# Altium PCB STM32F334R8T6Board_PCB.PcbDoc (part 1 of 2)
Units mm, origin at the board's own origin, x right, y up, seen from the top; angles counter-clockwise.
Board outline 150.9 x 140.23 mm, 2 copper layers (Top Layer, Bottom Layer); 191 components, 132 nets, 630 pads, 229 vias.
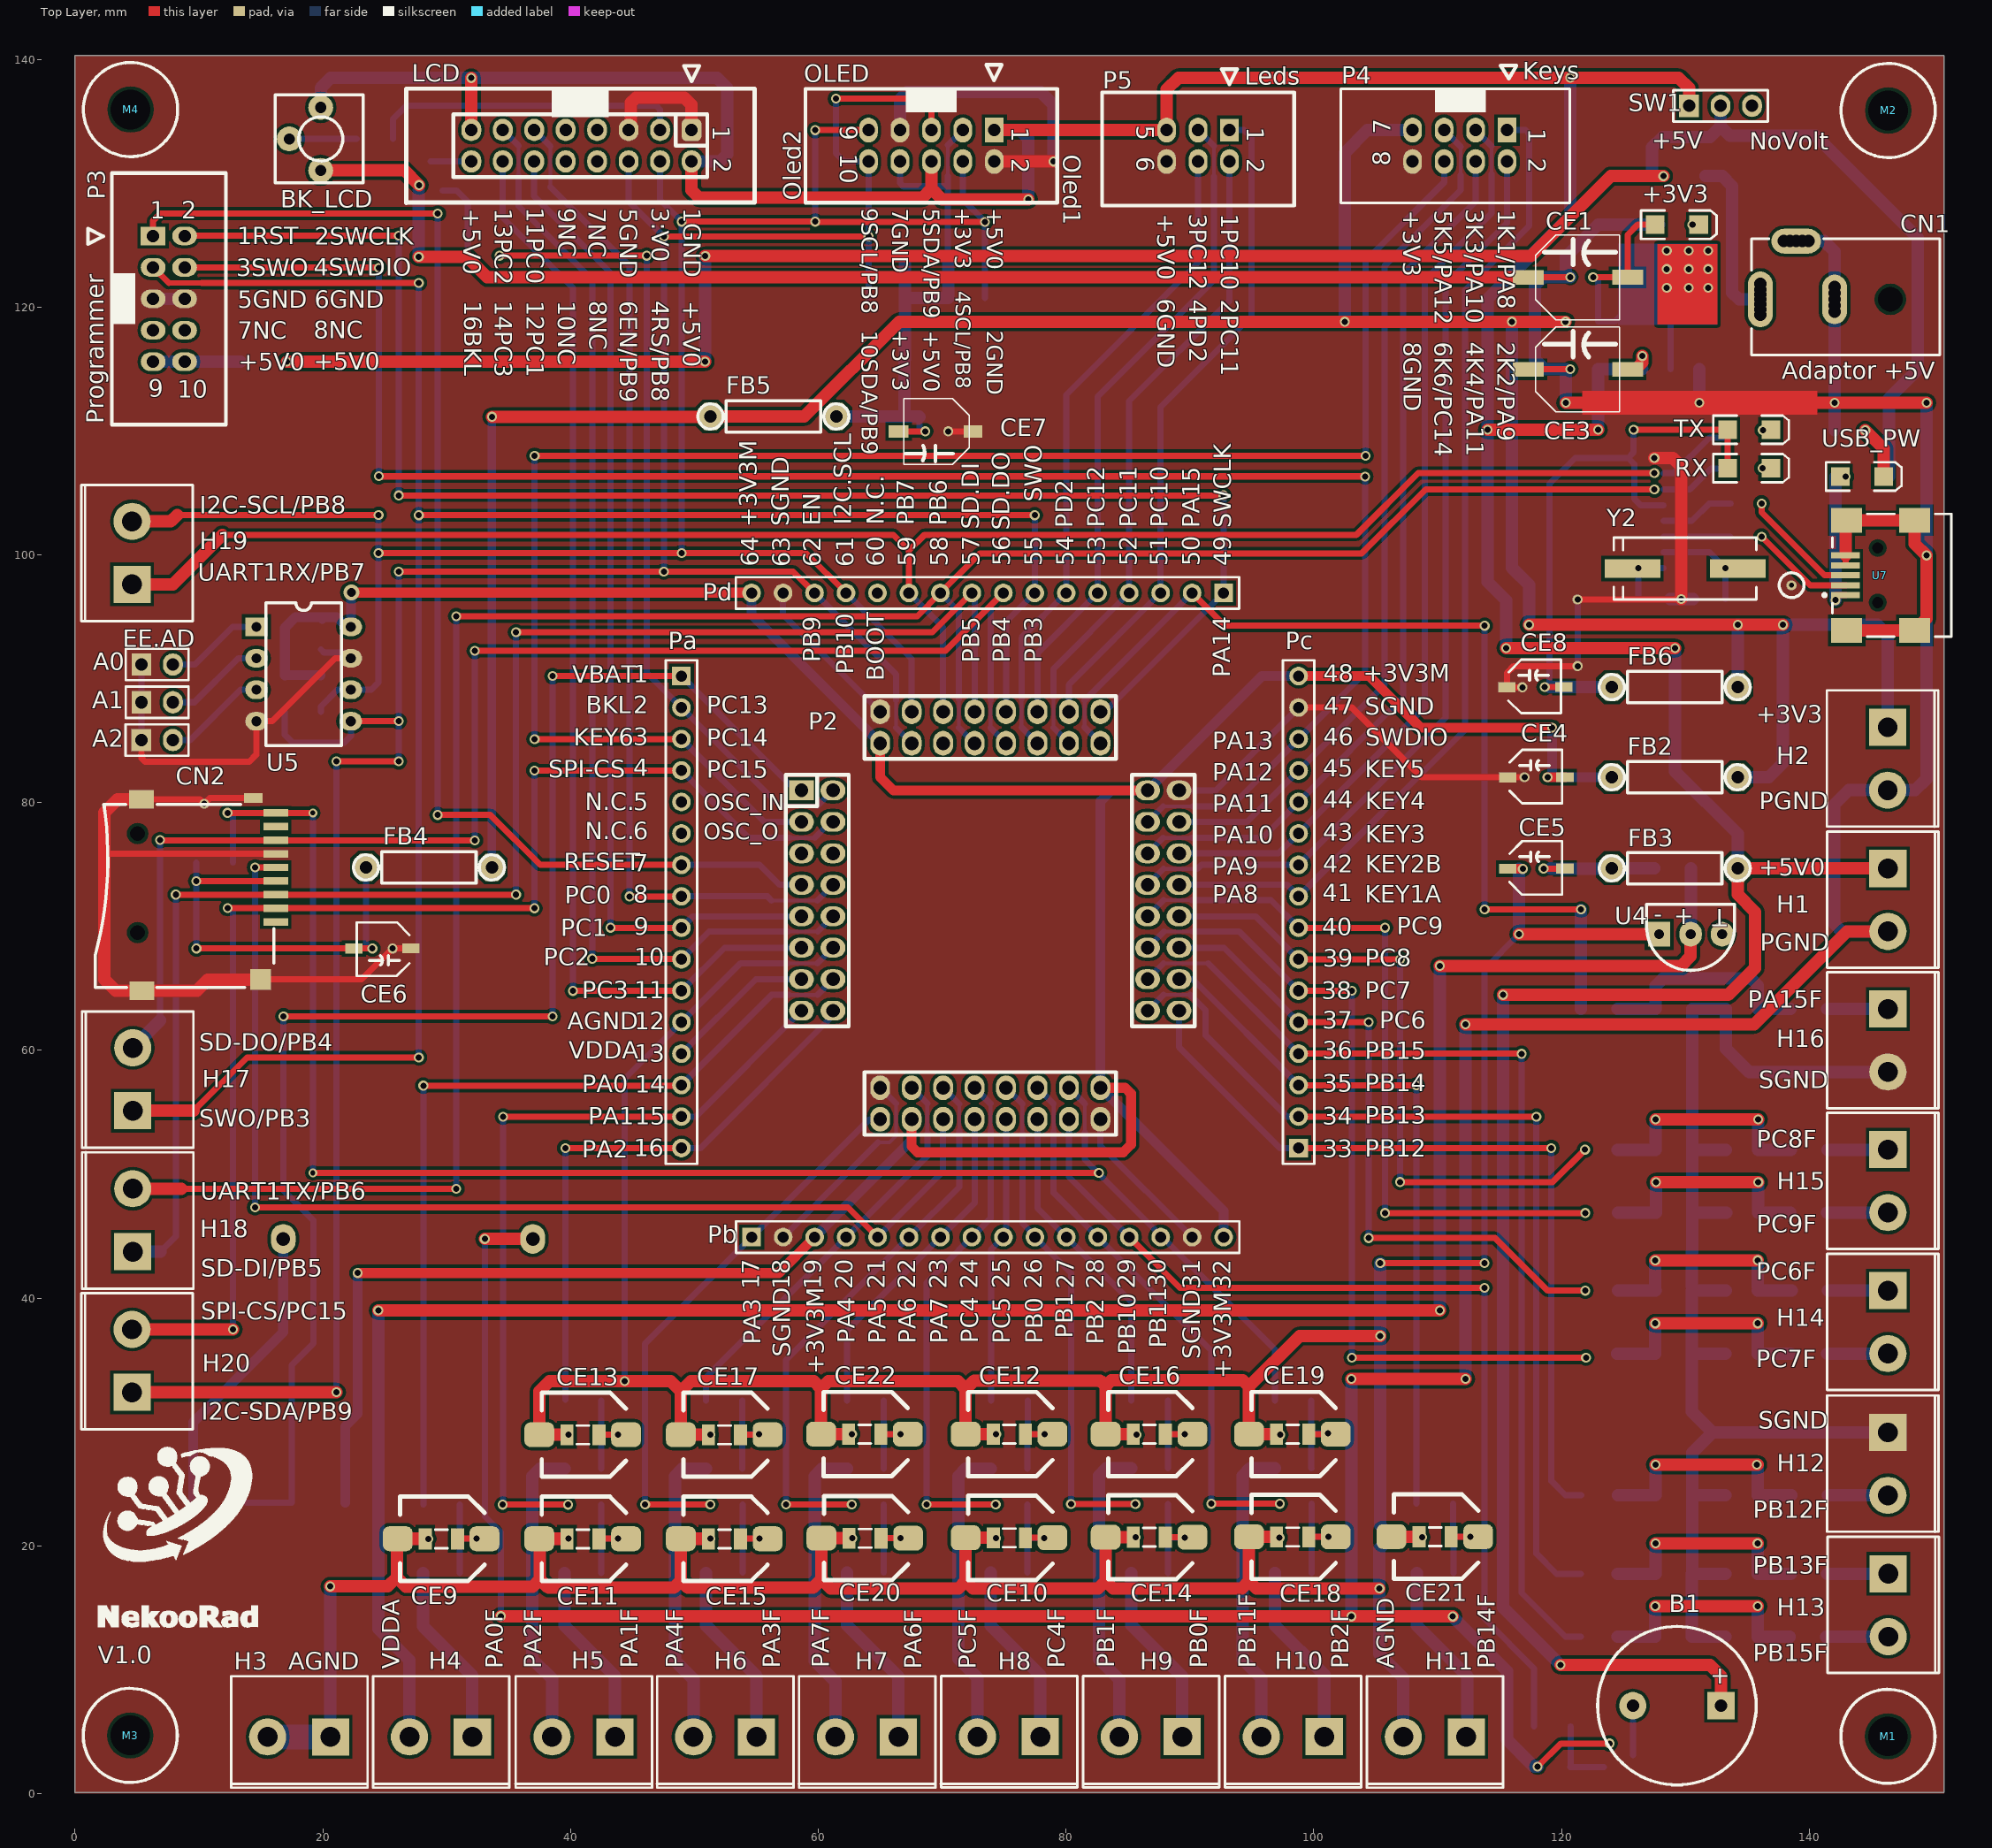
[diagram p0: Top Layer view]
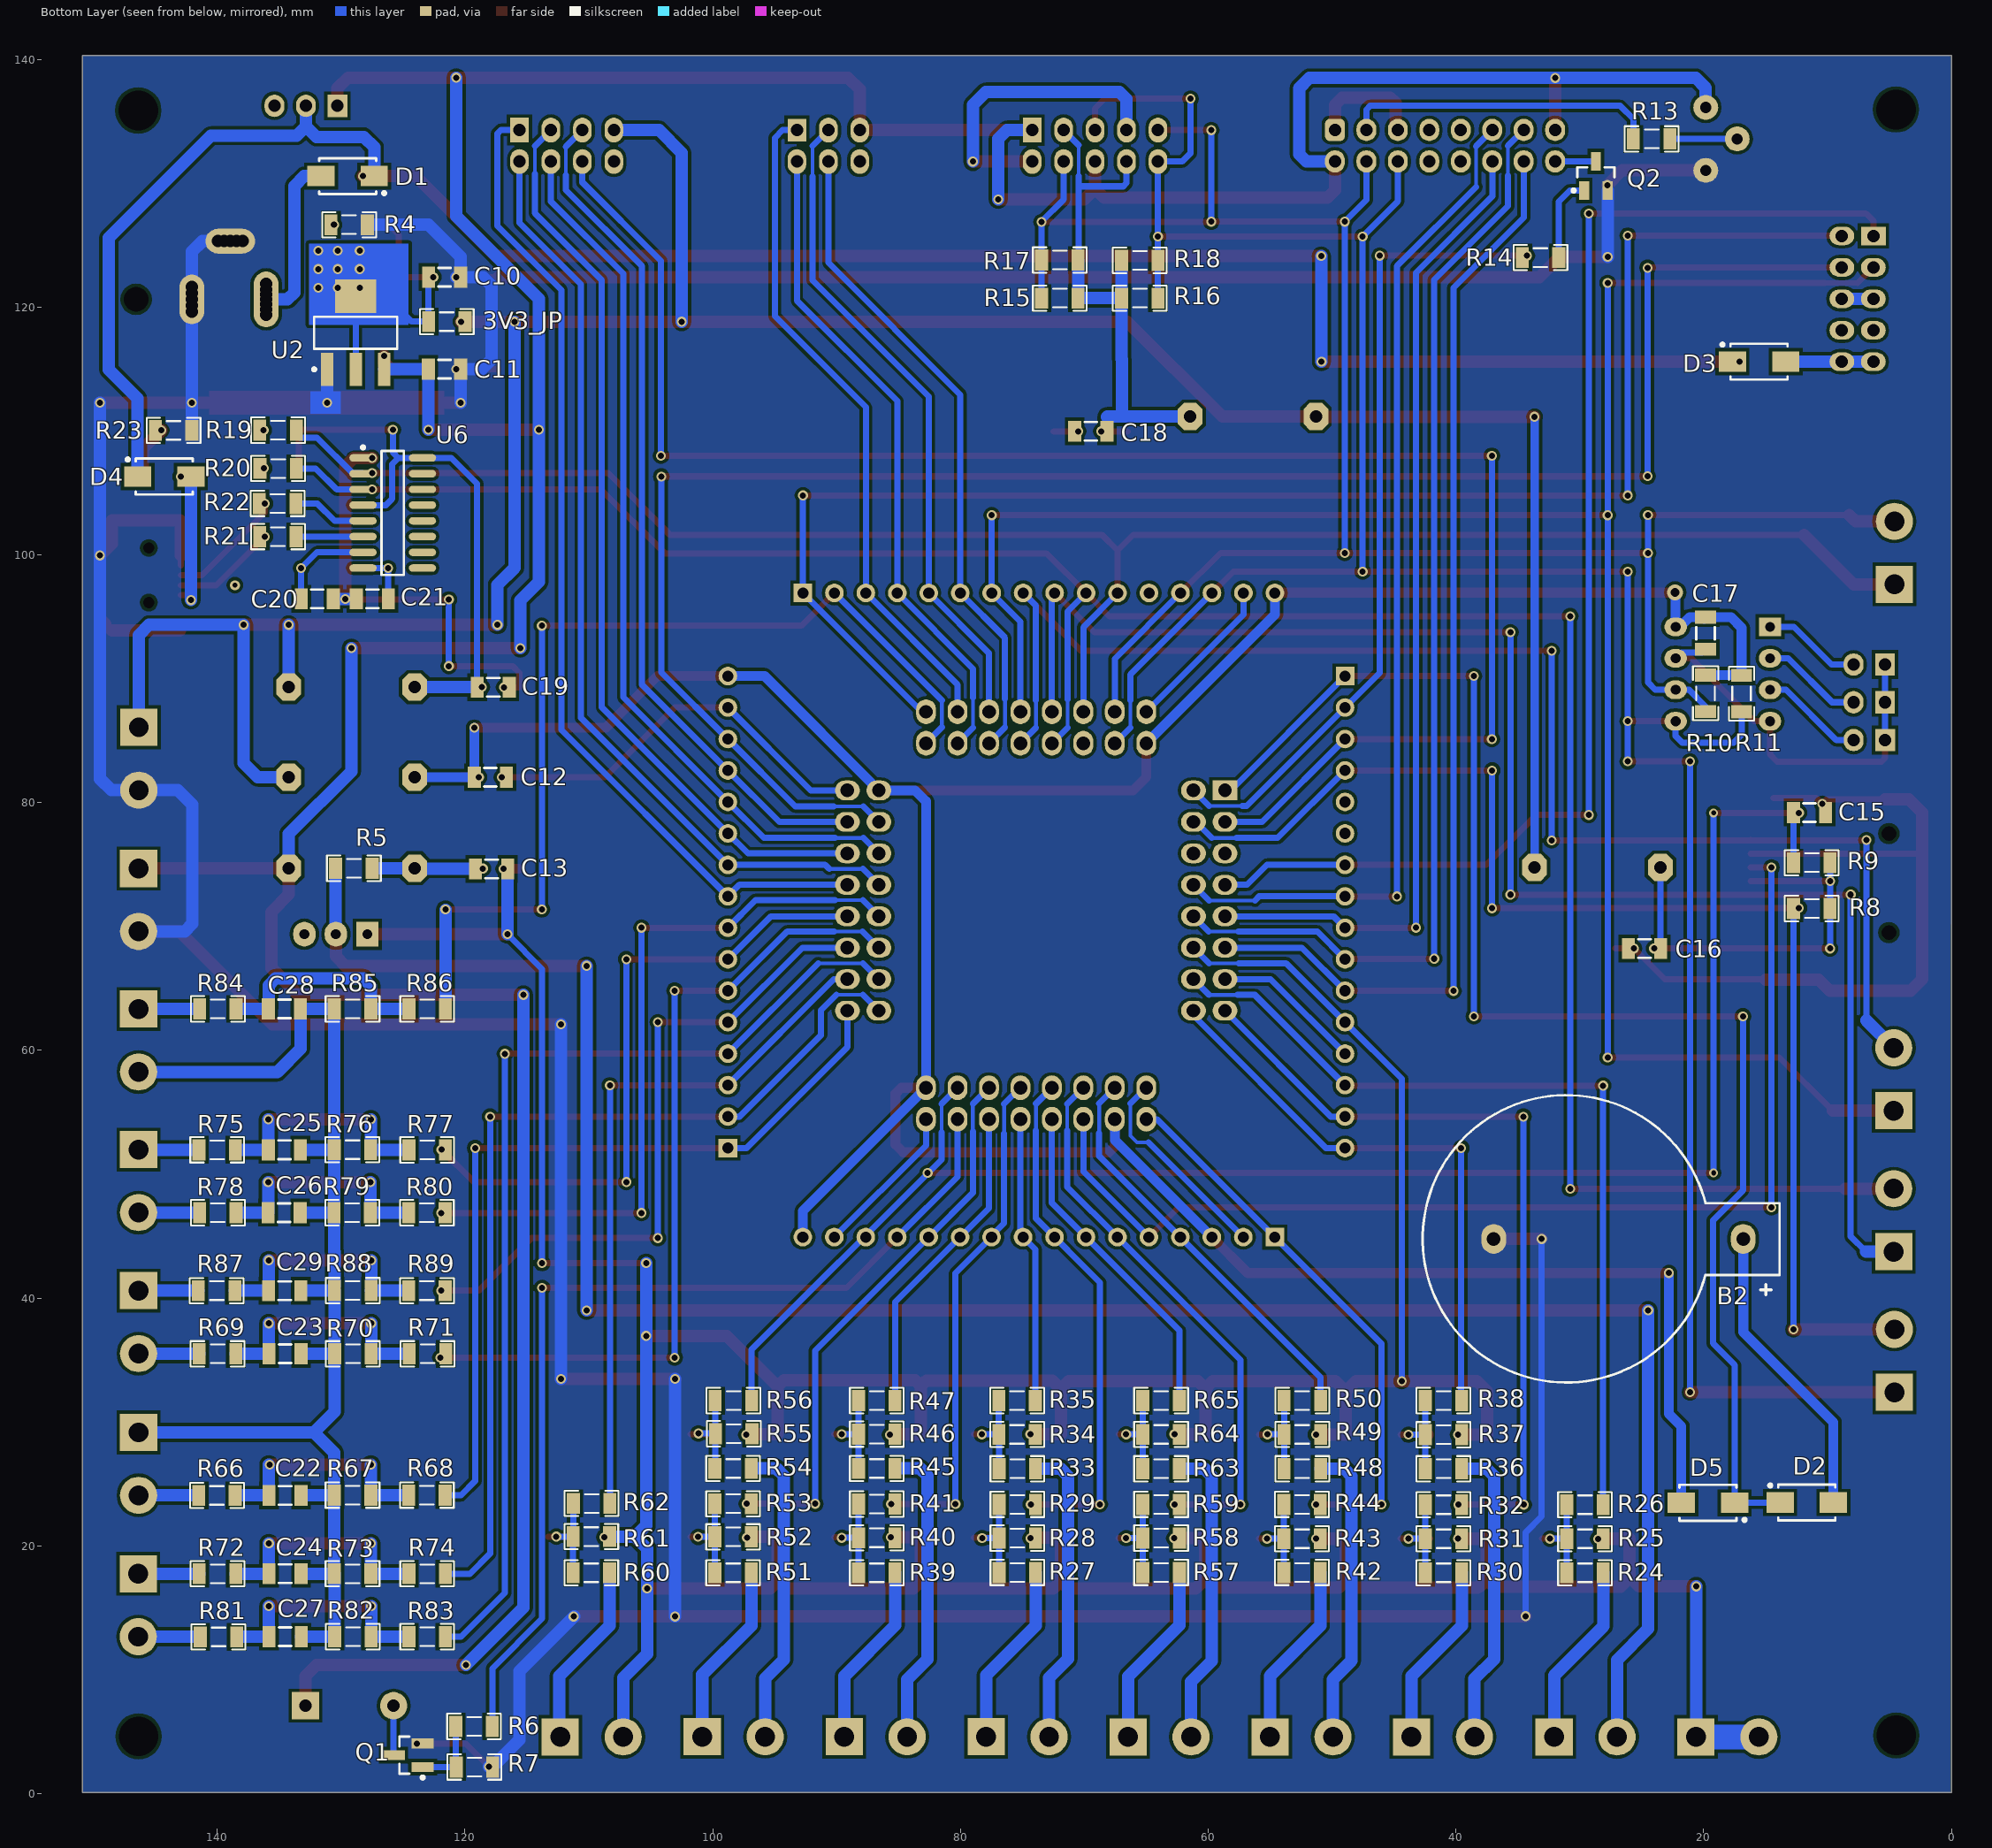
[diagram p1: Bottom Layer view, seen from below]
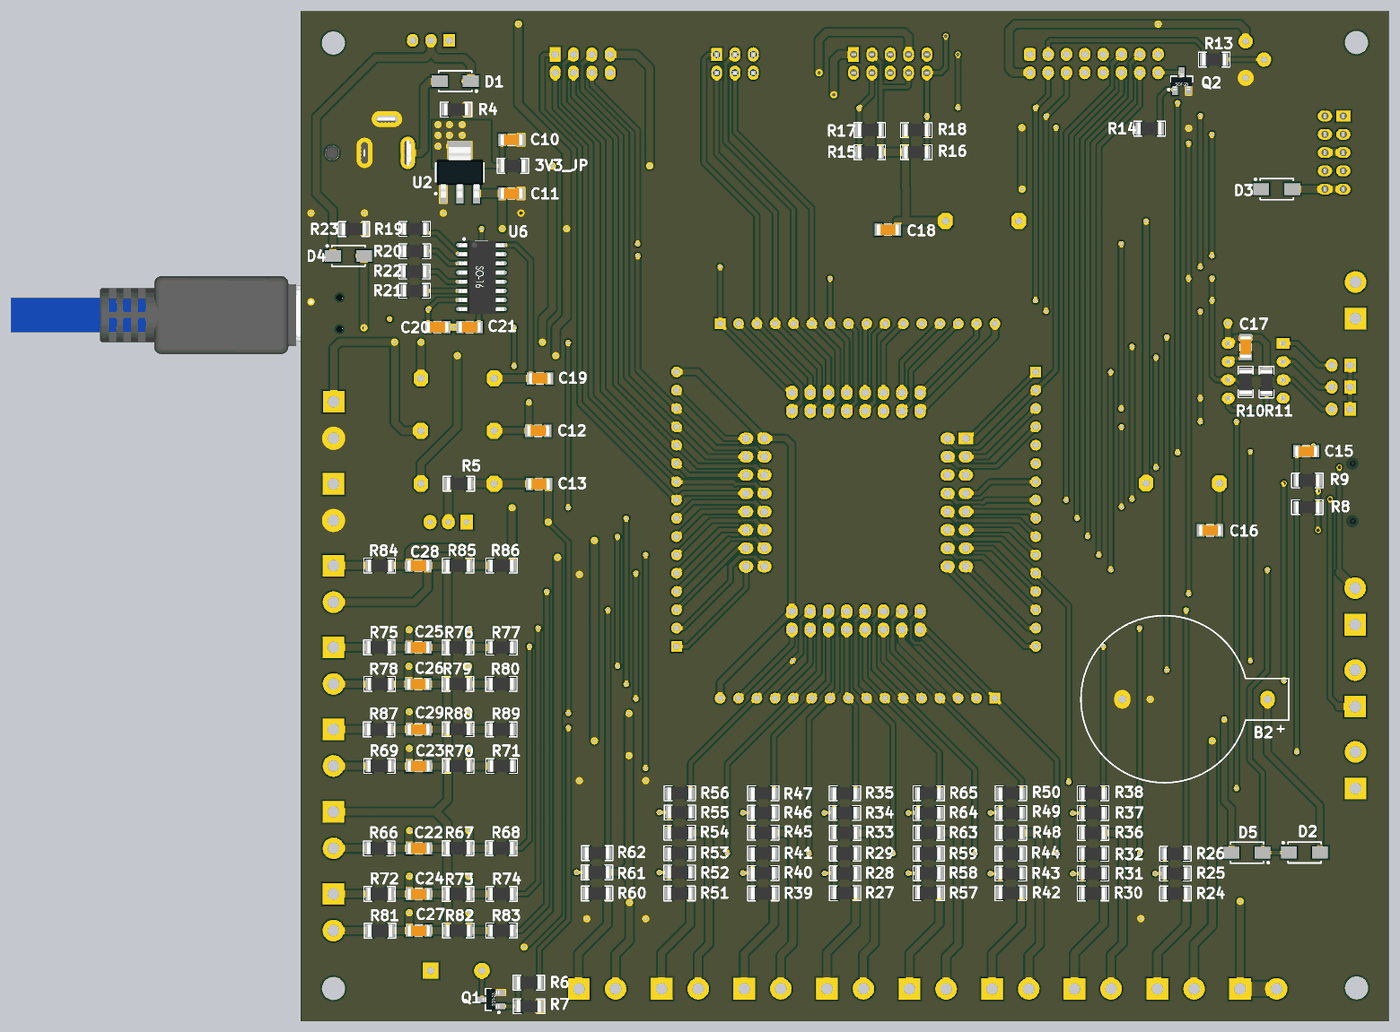
[diagram p3: 3D render of the assembled board from below, using the file's embedded part models]

## Layer stack, top to bottom
Top Solder: solder mask 0.0102, Solder Resist, Dk 3.5
Top Layer: signal copper 0.0356
Dielectric2: dielectric 0.32, FR-4, Dk 4.8
Bottom Layer: signal copper 0.0356
Bottom Solder: solder mask 0.0102, Solder Resist, Dk 3.5

## Board outline
0,0.075 0,140.3 150.9,140.3 150.9,0.075

## Design rules (kind name [scope] priority, off if disabled: settings)
Clearance Clearance_8 [InNamedPolygon('NONET_L02_P004')] p1: gap=0.254 ignorepadtopadclearanceinfootprint=FALSE except(0: Arc-Hole Track-Hole SMDPad-Hole THPad-Hole Via-Hole Fill-Hole Poly-Hole Region-Hole Text-Hole)
Clearance Clearance_7 [InNamedPolygon('NONET_L02_P004')] p2: gap=0.254 ignorepadtopadclearanceinfootprint=FALSE except(0: Arc-Hole Track-Hole SMDPad-Hole THPad-Hole Via-Hole Fill-Hole Poly-Hole Region-Hole Text-Hole)
Clearance Clearance_6 [InNamedPolygon('NONET_L02_P004')] p3: gap=0.254 ignorepadtopadclearanceinfootprint=FALSE except(0: Arc-Hole Track-Hole SMDPad-Hole THPad-Hole Via-Hole Fill-Hole Poly-Hole Region-Hole Text-Hole)
Clearance Clearance_5 [InNamedPolygon('NONET_L02_P004')] p4: gap=0.254 ignorepadtopadclearanceinfootprint=FALSE except(0: Arc-Hole Track-Hole SMDPad-Hole THPad-Hole Via-Hole Fill-Hole Poly-Hole Region-Hole Text-Hole)
Clearance Clearance_4 [InNamedPolygon('NONET_L02_P004')] p5: gap=0.254 ignorepadtopadclearanceinfootprint=FALSE except(0: Arc-Hole Track-Hole SMDPad-Hole THPad-Hole Via-Hole Fill-Hole Poly-Hole Region-Hole Text-Hole)
Clearance Clearance_3 [InNamedPolygon('Top Layer-SGND')] p6: gap=0.254 ignorepadtopadclearanceinfootprint=FALSE except(0: Arc-Hole Track-Hole SMDPad-Hole THPad-Hole Via-Hole Fill-Hole Poly-Hole Region-Hole Text-Hole)
Clearance Clearance_2 [InNamedPolygon('Bottom Layer-SGND')] p7: gap=0.254 ignorepadtopadclearanceinfootprint=FALSE except(0: Arc-Hole Track-Hole SMDPad-Hole THPad-Hole Via-Hole Fill-Hole Poly-Hole Region-Hole Text-Hole)
Clearance Clearance_1 [All vs IsRegion] p8: gap=0.4 ignorepadtopadclearanceinfootprint=FALSE
Clearance [All] p9: gap=0.2 ignorepadtopadclearanceinfootprint=FALSE
ComponentClearance [All] p1: gap=0 collisioncheckmode=3 verticalgap=0 showdistances=FALSE
HoleSize [All] p1: absolutevalues=TRUE maxlimit=4.54 minlimit=0.025 maxpercent=80.000 minpercent=20.000
HoleToHoleClearance [All] p1: gap=0.1 allowstackedmicrovias=TRUE
MinimumSolderMaskSliver [All] p1: minsoldermaskwidth=0
PlaneClearance [All] p1: clearance=0.5
PlaneConnect [All] p1: planeconnectstyle=Direct reliefexpansion=0.508 reliefentries=4 reliefconductorwidth=0.254 reliefairgap=0.254
PolygonConnect [All] p1: connectstyle=Direct reliefconductorwidth=0.254 reliefentries=4 polygonreliefangle="45 Angle" airgapwidth=0.254
RoutingVias [All] p1: holewidth=0.4 width=0.7 viastyle="Through Hole" minholewidth=0.4 minwidth=0.7 maxholewidth=0.711 maxwidth=1.27
SilkToSilkClearance [All] p1: silktosilkclearance=0
SilkToSolderMaskClearance [IsPad] p1: minsilkscreentomaskgap=0 clearancetoexposedcopper=TRUE
SolderMaskExpansion [All] p1: expansion=0.102 istentingtop=FALSE
Width Width_1 [(InNet('+3V3') OR InNet('+5V0') OR InNet('+VIN') OR InNet('GND'))] p1: maxlimit=1 minlimit=0.3 preferedwidth=0.3
Width [All] p2: maxlimit=2 minlimit=0.2 preferedwidth=0.5 minimp=50.000000 maximp=50.000000 favimp=50.000000
22 further rules are at their usual default settings.

## Classes and differential pairs
component class [3]STM32F334R8T6Board_FilterAndOutputs: C13 C22 C23 C24 C25 C26 C27 C28 C29 CE5 CE9 CE10 CE11 CE12 CE13 CE14 CE15 CE16 CE17 CE18 CE19 CE20 CE21 CE22 FB3 H1 H2 H3 H4 H5 H6 H7 H8 H9 H10 H11 H12 H13 H14 H15 H16 H17 H18 H19 H20 P4 P5 R5 R24 R25 R26 R27 R28 R29 R30 R31 R32 R33 R34 R35 R36 R37 R38 R39 R40 R41 R42 R43 R44 R45 R46 R47 R48 R49 R50 R51 R52 R53 R54 R55 R56 R57 R58 R59 R60 R61 R62 R63 R64 R65 R66 R67 R68 R69 R70 R71 R72 R73 R74 R75 R76 R77 R78 R79 R80 R81 R82 R83 R84 R85 R86 R87 R88 R89 U4
component class [2]STM32F334R8T6Board_Interfaces: BK_LCD C18 C19 C20 C21 CE7 CE8 D4 FB5 FB6 LCD OLED Q2 R13 R14 R15 R16 R17 R18 R19 R20 R21 R22 R23 RX TX U6 U7 USB_PW Y2
component class [1]STM32F334R8T6Board_MCU: 3V3_JP +3V3 A0 A1 A2 B1 B2 C10 C11 C12 C15 C16 C17 CE1 CE3 CE4 CE6 CN1 CN2 D1 D2 D3 D5 FB2 FB4 M1 M2 M3 M4 P2 P3 Pa Pb Pc Pd Q1 R4 R6 R7 R8 R9 R10 R11 SW1 U2 U5
net class SD_card: PA5 PB11 SD_DI SD_DO SPI1_CS

## Components (designator, comment, footprint, x,y, rotation, side; value= is the part's Value field where it differs from the comment)
3V3_JP "JUMP" RES_1206#1 121.435,117.95 r180 bottom
+3V3 "HB" "LED SMD 1206" 129.325,126.65 r0 top
A0 "Comment" HDR1X2 5.355,91.15 r0 top
A1 "Comment" HDR1X2 5.355,88.1 r0 top
A2 "Comment" HDR1X2 5.35,85.05 r0 top
B1 "BUZZER" BUZZ 129.319,7.1 r0 top
B2 "CR1220 Holder" Battery3 23.285,44.79 r0 bottom
BK_LCD "RPot" JFP 19.83,133.58 r270 top value=10K
C10 "Comment" SMD_CAP_1206 120.35,122.425 r0 bottom
C11 "Comment" SMD_CAP_1206 120.354,115 r0 bottom
C12 "Comment" SMD_CAP_1206 116.654,82.05 r0 bottom
C13 "Comment" SMD_CAP_1206 116.55,74.65 r0 bottom
C15 "Comment" SMD_CAP_1206 12.75,79.2 r180 bottom
C16 "Comment" SMD_CAP_1206 26.075,68.225 r180 bottom
C17 "Comment" SMD_CAP_1206 19.838,92.375 r90 bottom
C18 "Comment" SMD_CAP_1206 70.771,109.975 r180 bottom
C19 "Comment" SMD_CAP_1206 116.42,89.315 r0 bottom
C20 "Comment" SMD_CAP_1206 130.629,96.45 r0 bottom
C21 "Comment" SMD_CAP_1206 126.175,96.45 r0 bottom
C22 "10N" SMD_CAP_1206 135.825,24.075 r180 bottom
C23 "10N" SMD_CAP_1206 135.825,35.505 r180 bottom
C24 "10N" SMD_CAP_1206 135.825,17.75 r180 bottom
C25 "10N" SMD_CAP_1206 135.875,51.975 r180 bottom
C26 "10N" SMD_CAP_1206 135.9,46.9 r180 bottom
C27 "10N" SMD_CAP_1206 135.82,12.67 r180 bottom
C28 "10N" SMD_CAP_1206 135.875,63.35 r180 bottom
C29 "10N" SMD_CAP_1206 135.85,40.6 r180 bottom
CE1 "Comment" CAP-E-4 123.625,122.405 r90 top value=100uF
CE3 "Comment" CAP-E-4 123.625,114.98 r90 top value=100uF
CE4 "10uf tantal" cap-e-2 119.06,82.124 r90 top
CE5 "10uf tantal" cap-e-2 119.06,74.749 r90 top
CE6 "10uf tantal" cap-e-2 23.73,68.15 r270 top
CE7 "47uf tantal" CAP-E-3 67.58,109.9 r270 top
CE8 "10uf tantal" cap-e-2 118.98,89.4 r90 top
CE9 "10M/10" "CAP E+1206" 33.055,20.575 r0 top
CE10 "NC" "CAP E+1206" 78.905,20.65 r0 top
CE11 "10M/10" "CAP E+1206" 44.48,20.575 r0 top
CE12 "NC" "CAP E+1206" 78.905,29.025 r0 top
CE13 "10M/10" "CAP E+1206" 44.48,28.975 r0 top
CE14 "NC" "CAP E+1206" 90.205,20.7 r0 top
CE15 "10M/10" "CAP E+1206" 55.905,20.575 r0 top
CE16 "NC" "CAP E+1206" 90.205,29.025 r0 top
CE17 "10M/10" "CAP E+1206" 55.905,28.975 r0 top
CE18 "NC" "CAP E+1206" 101.78,20.725 r0 top
CE19 "NC" "CAP E+1206" 101.78,29.025 r0 top
CE20 "100N(SMD)" "CAP E+1206" 67.255,20.625 r0 top
CE21 "10M/10" "CAP E+1206" 113.28,20.75 r0 top
CE22 "NC" "CAP E+1206" 67.23,29.025 r0 top
CN1 "5V DC Jack" "Power Jack" 150.55,120.625 r180 top
CN2 "Comment" "Micro sd csrd" 8.55,72.2 r180 top
D1 "SS12" "Diode SMA-M" 129.475,130.575 r0 bottom
D2 "SS12" "Diode SMA-M" 11.675,23.5 r180 bottom
D3 "SS12" "Diode SMA-M" 15.525,115.6 r180 bottom
D4 "SS12" "Diode SMA-M" 144.275,106.325 r180 bottom
D5 "SS12" "Diode SMA-M" 19.65,23.475 r0 bottom
FB2 "Comment" r4p 134.225,82.05 r270 top
FB3 "Comment" r4p 134.22,74.701 r270 top
FB4 "Comment" r4p 33.645,74.769 r270 top
FB5 "Comment" r4p 51.3,111.175 r90 top
FB6 "Comment" r4p 134.225,89.325 r270 top
H1 "HDRM2" "header screw 2*1" 145.645,72.695 r0 top
H2 "HDRM2" "header screw 2*1" 145.625,84.1 r0 top
H3 "HDRM2" "header screw 2*1" 18.64,5.28 r270 top
H4 "HDRM2" "header screw 2*1" 30.085,5.28 r270 top
H5 "HDRM2" "header screw 2*1" 41.6,5.28 r270 top
H6 "HDRM2" "header screw 2*1" 53.02,5.28 r270 top
H7 "HDRM2" "header screw 2*1" 64.48,5.28 r270 top
H8 "HDRM2" "header screw 2*1" 75.94,5.292 r270 top
H9 "HDRM2" "header screw 2*1" 87.4,5.292 r270 top
H10 "HDRM2" "header screw 2*1" 98.86,5.292 r270 top
H11 "HDRM2" "header screw 2*1" 110.32,5.28 r270 top
H12 "HDRM2" "header screw 2*1" 145.645,27.175 r0 top
H13 "HDRM2" "header screw 2*1" 145.67,15.765 r0 top
H14 "HDRM2" "header screw 2*1" 145.645,38.615 r0 top
H15 "HDRM2" "header screw 2*1" 145.645,50 r0 top
H16 "HDRM2" "header screw 2*1" 145.645,61.35 r0 top
H17 "HDRM2" "header screw 2*1" 5.355,57.11 r180 top
H18 "HDRM2" "header screw 2*1" 5.355,45.735 r180 top
H19 "HDRM2" "header screw 2*1" 5.305,99.61 r180 top
H20 "HDRM2" "header screw 2*1" 5.305,34.38 r180 top
LCD "TM204A-20x4" IDC16_BOX 52.517,134.135 r270 top
M1 "Comment" Stud-hole 146.35,4.625 r0 top value=DNP/MH
M2 "Comment" Stud-hole 146.375,135.875 r0 top value=DNP/MH
M3 "Comment" Stud-hole 4.45,4.7 r0 top value=DNP/MH
M4 "Comment" Stud-hole 4.475,135.95 r0 top value=DNP/MH